# Altium PCB TEBF0808ASCII.PcbDoc (part 1 of 10) (continued)
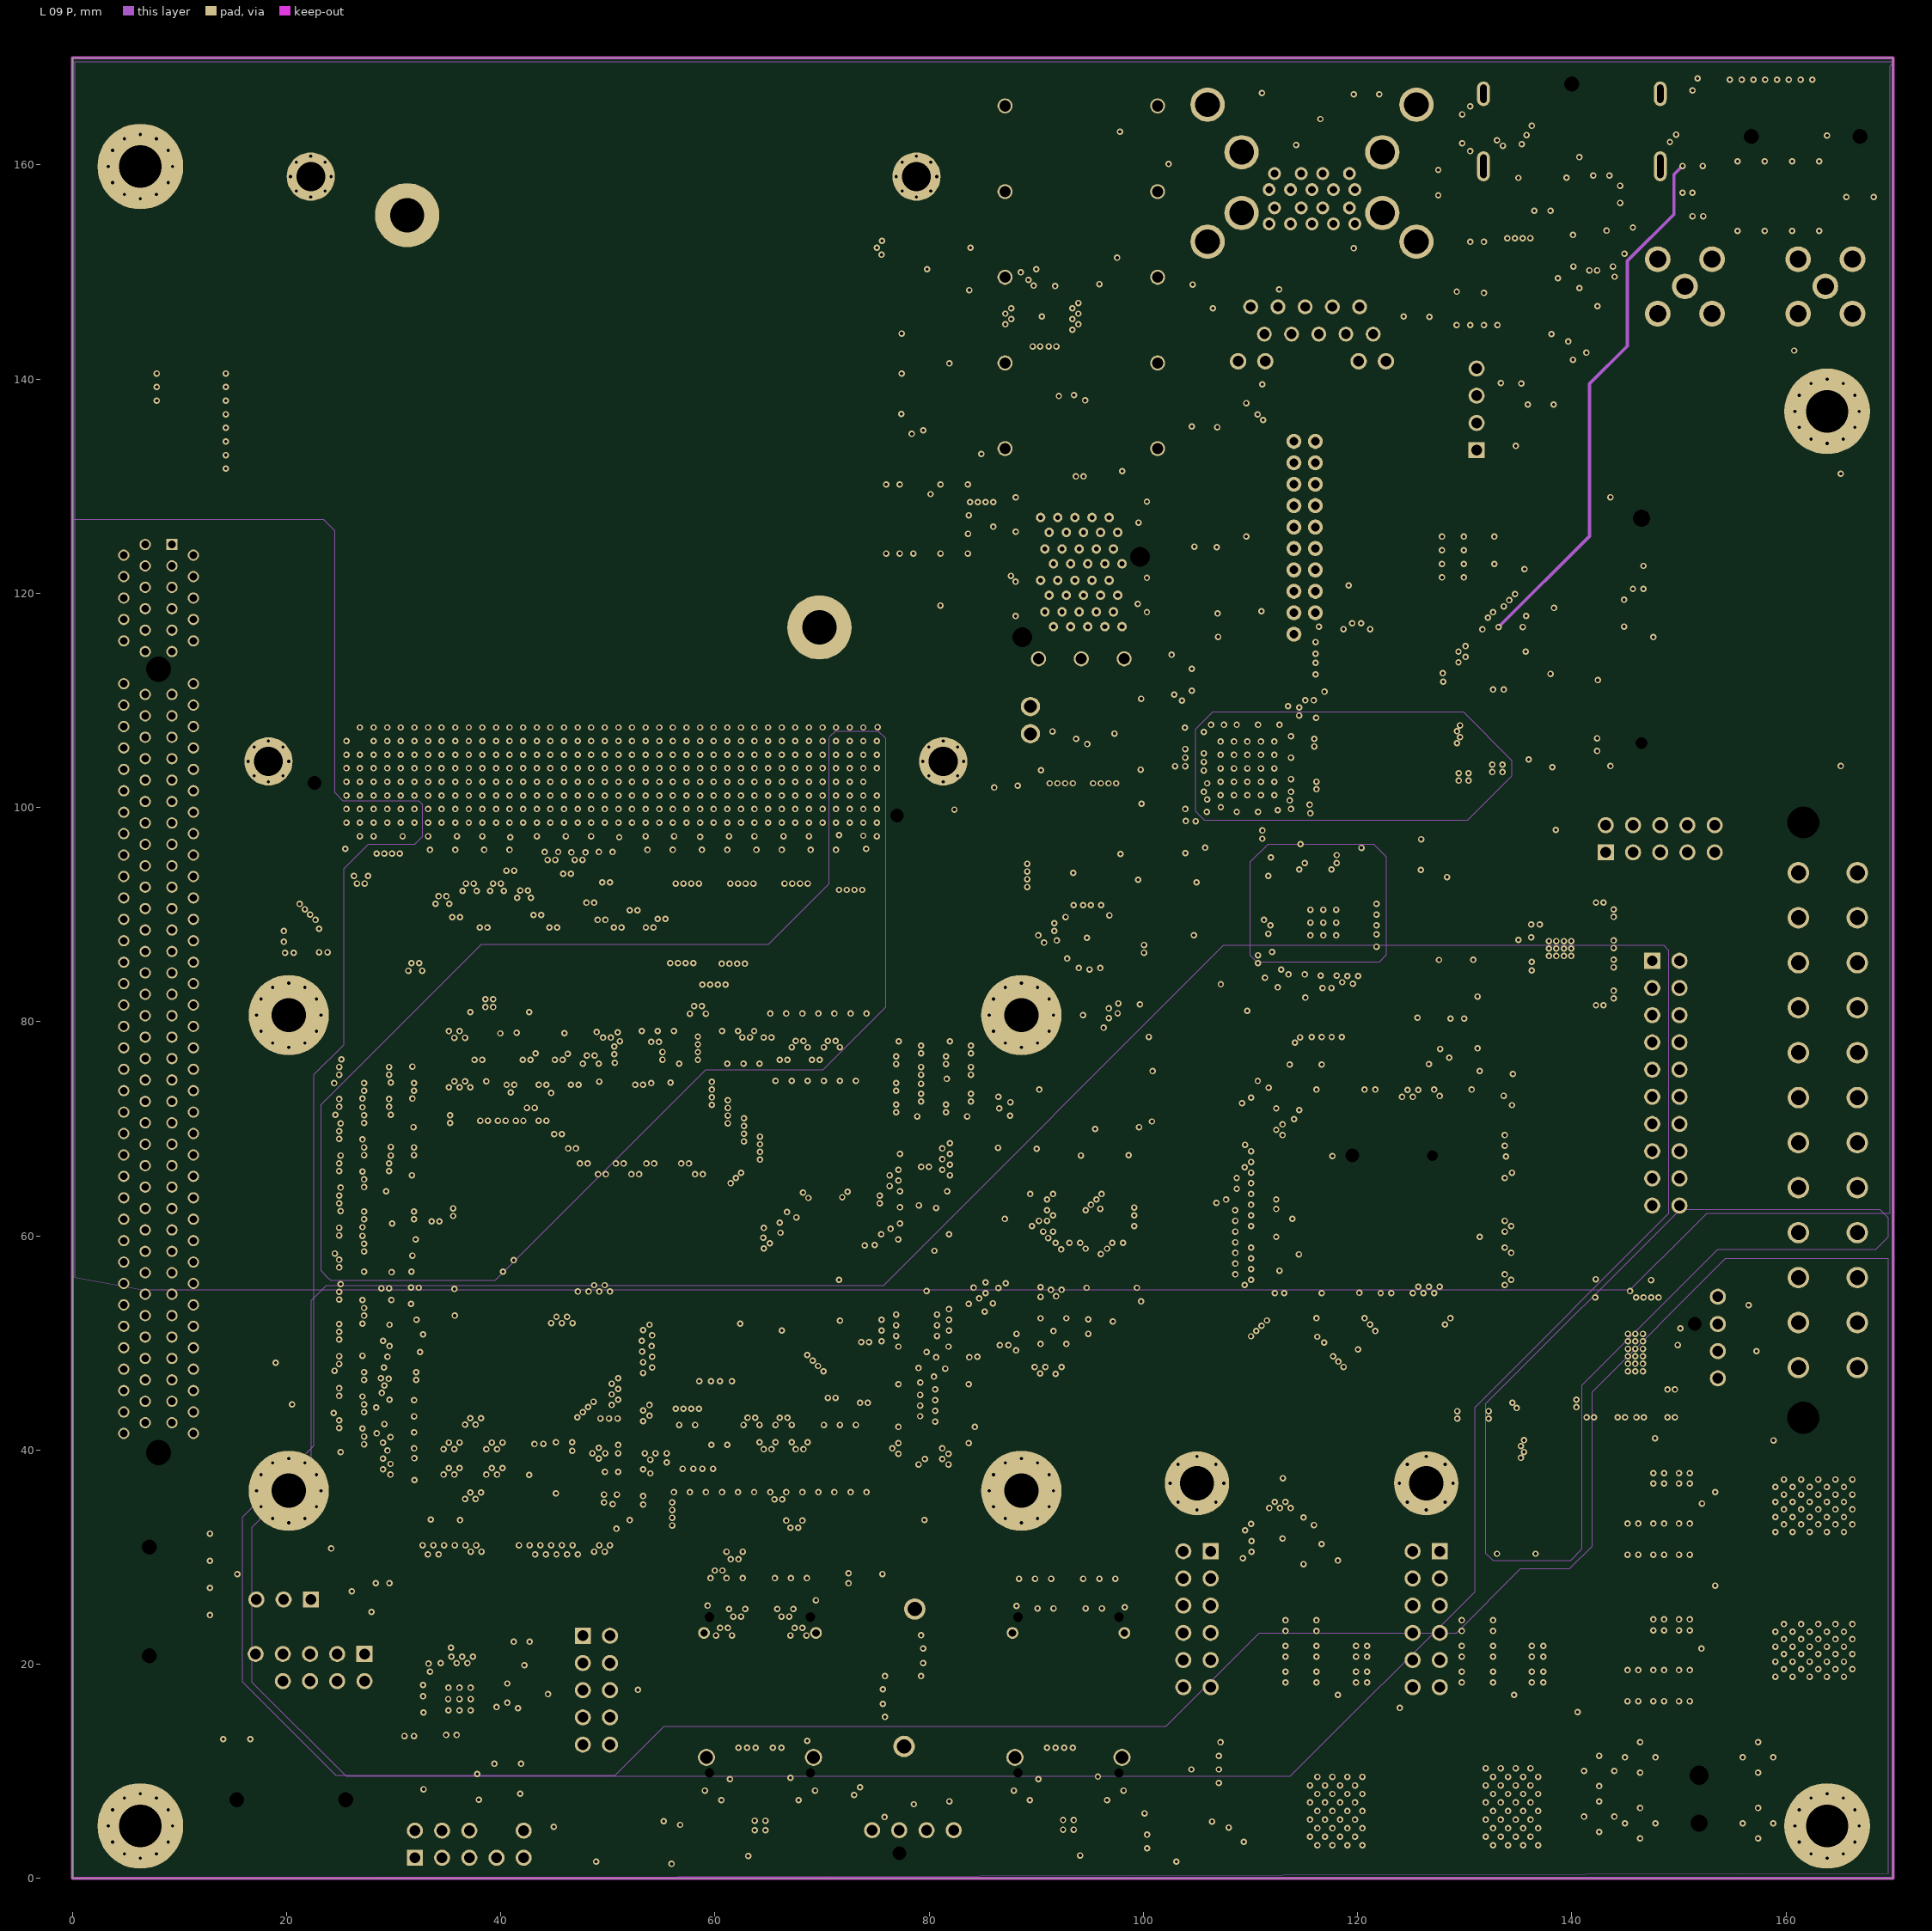
[diagram p8: L 09 P]
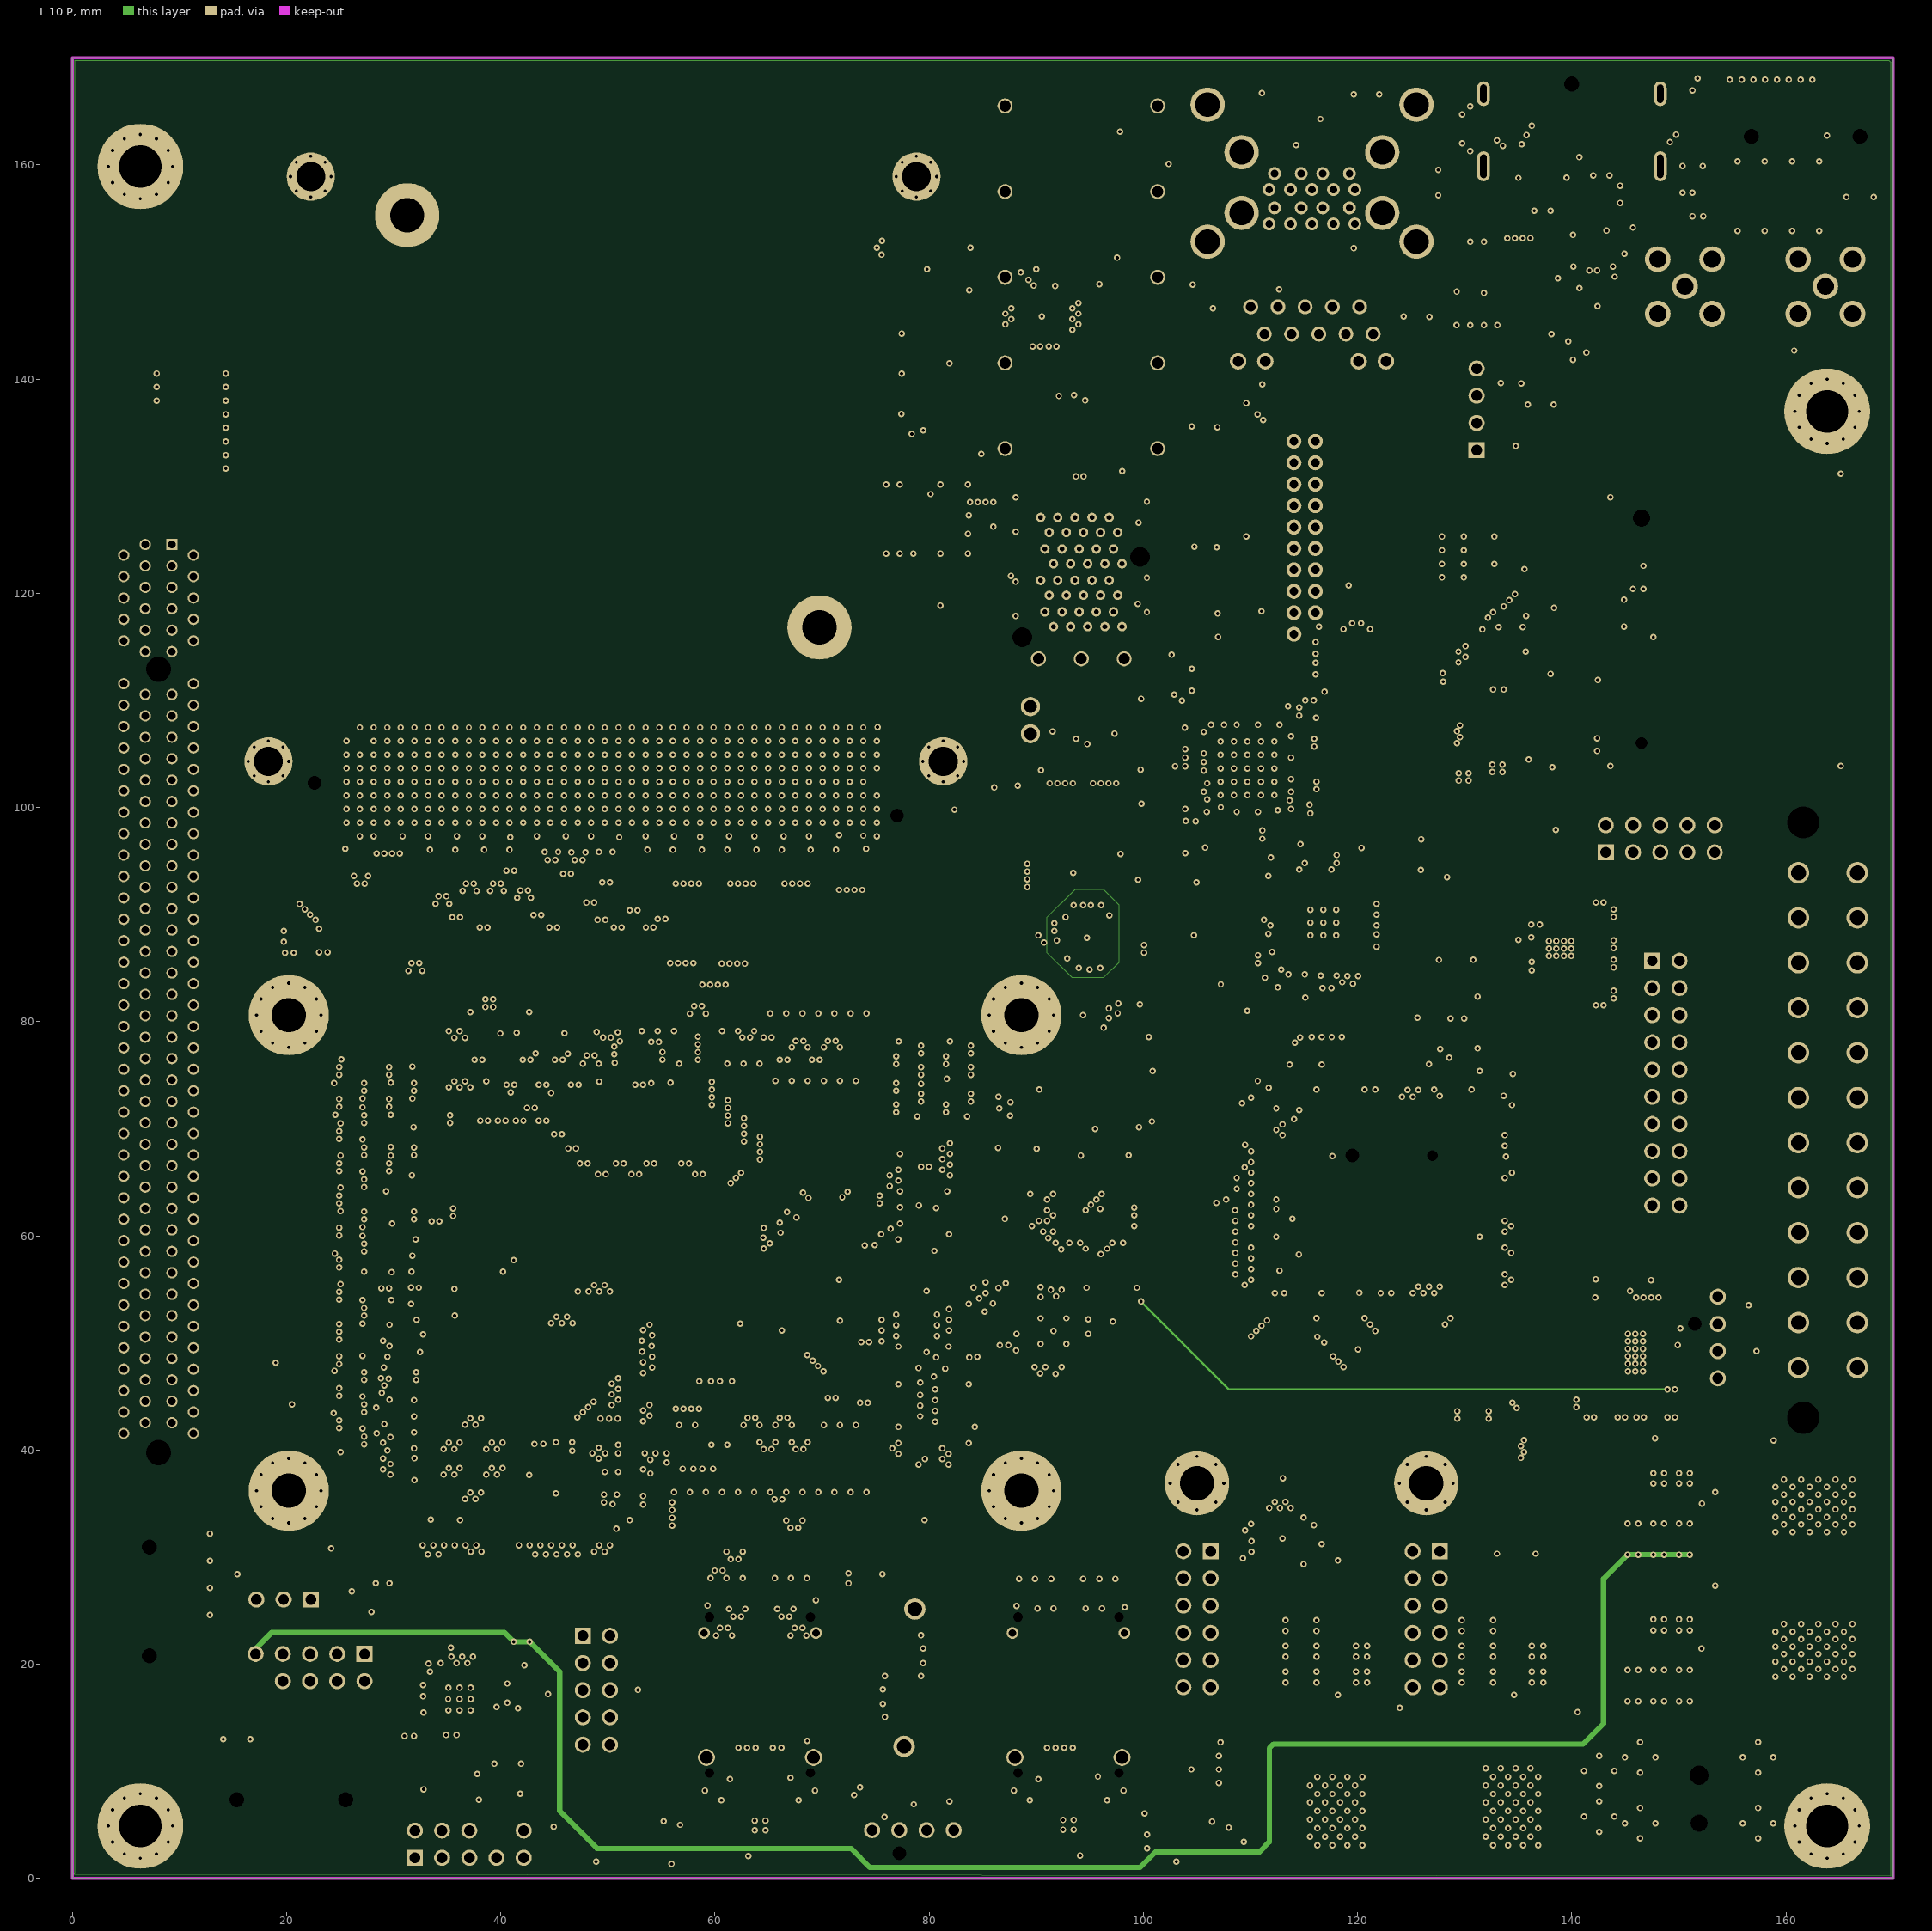
[diagram p9: L 10 P]
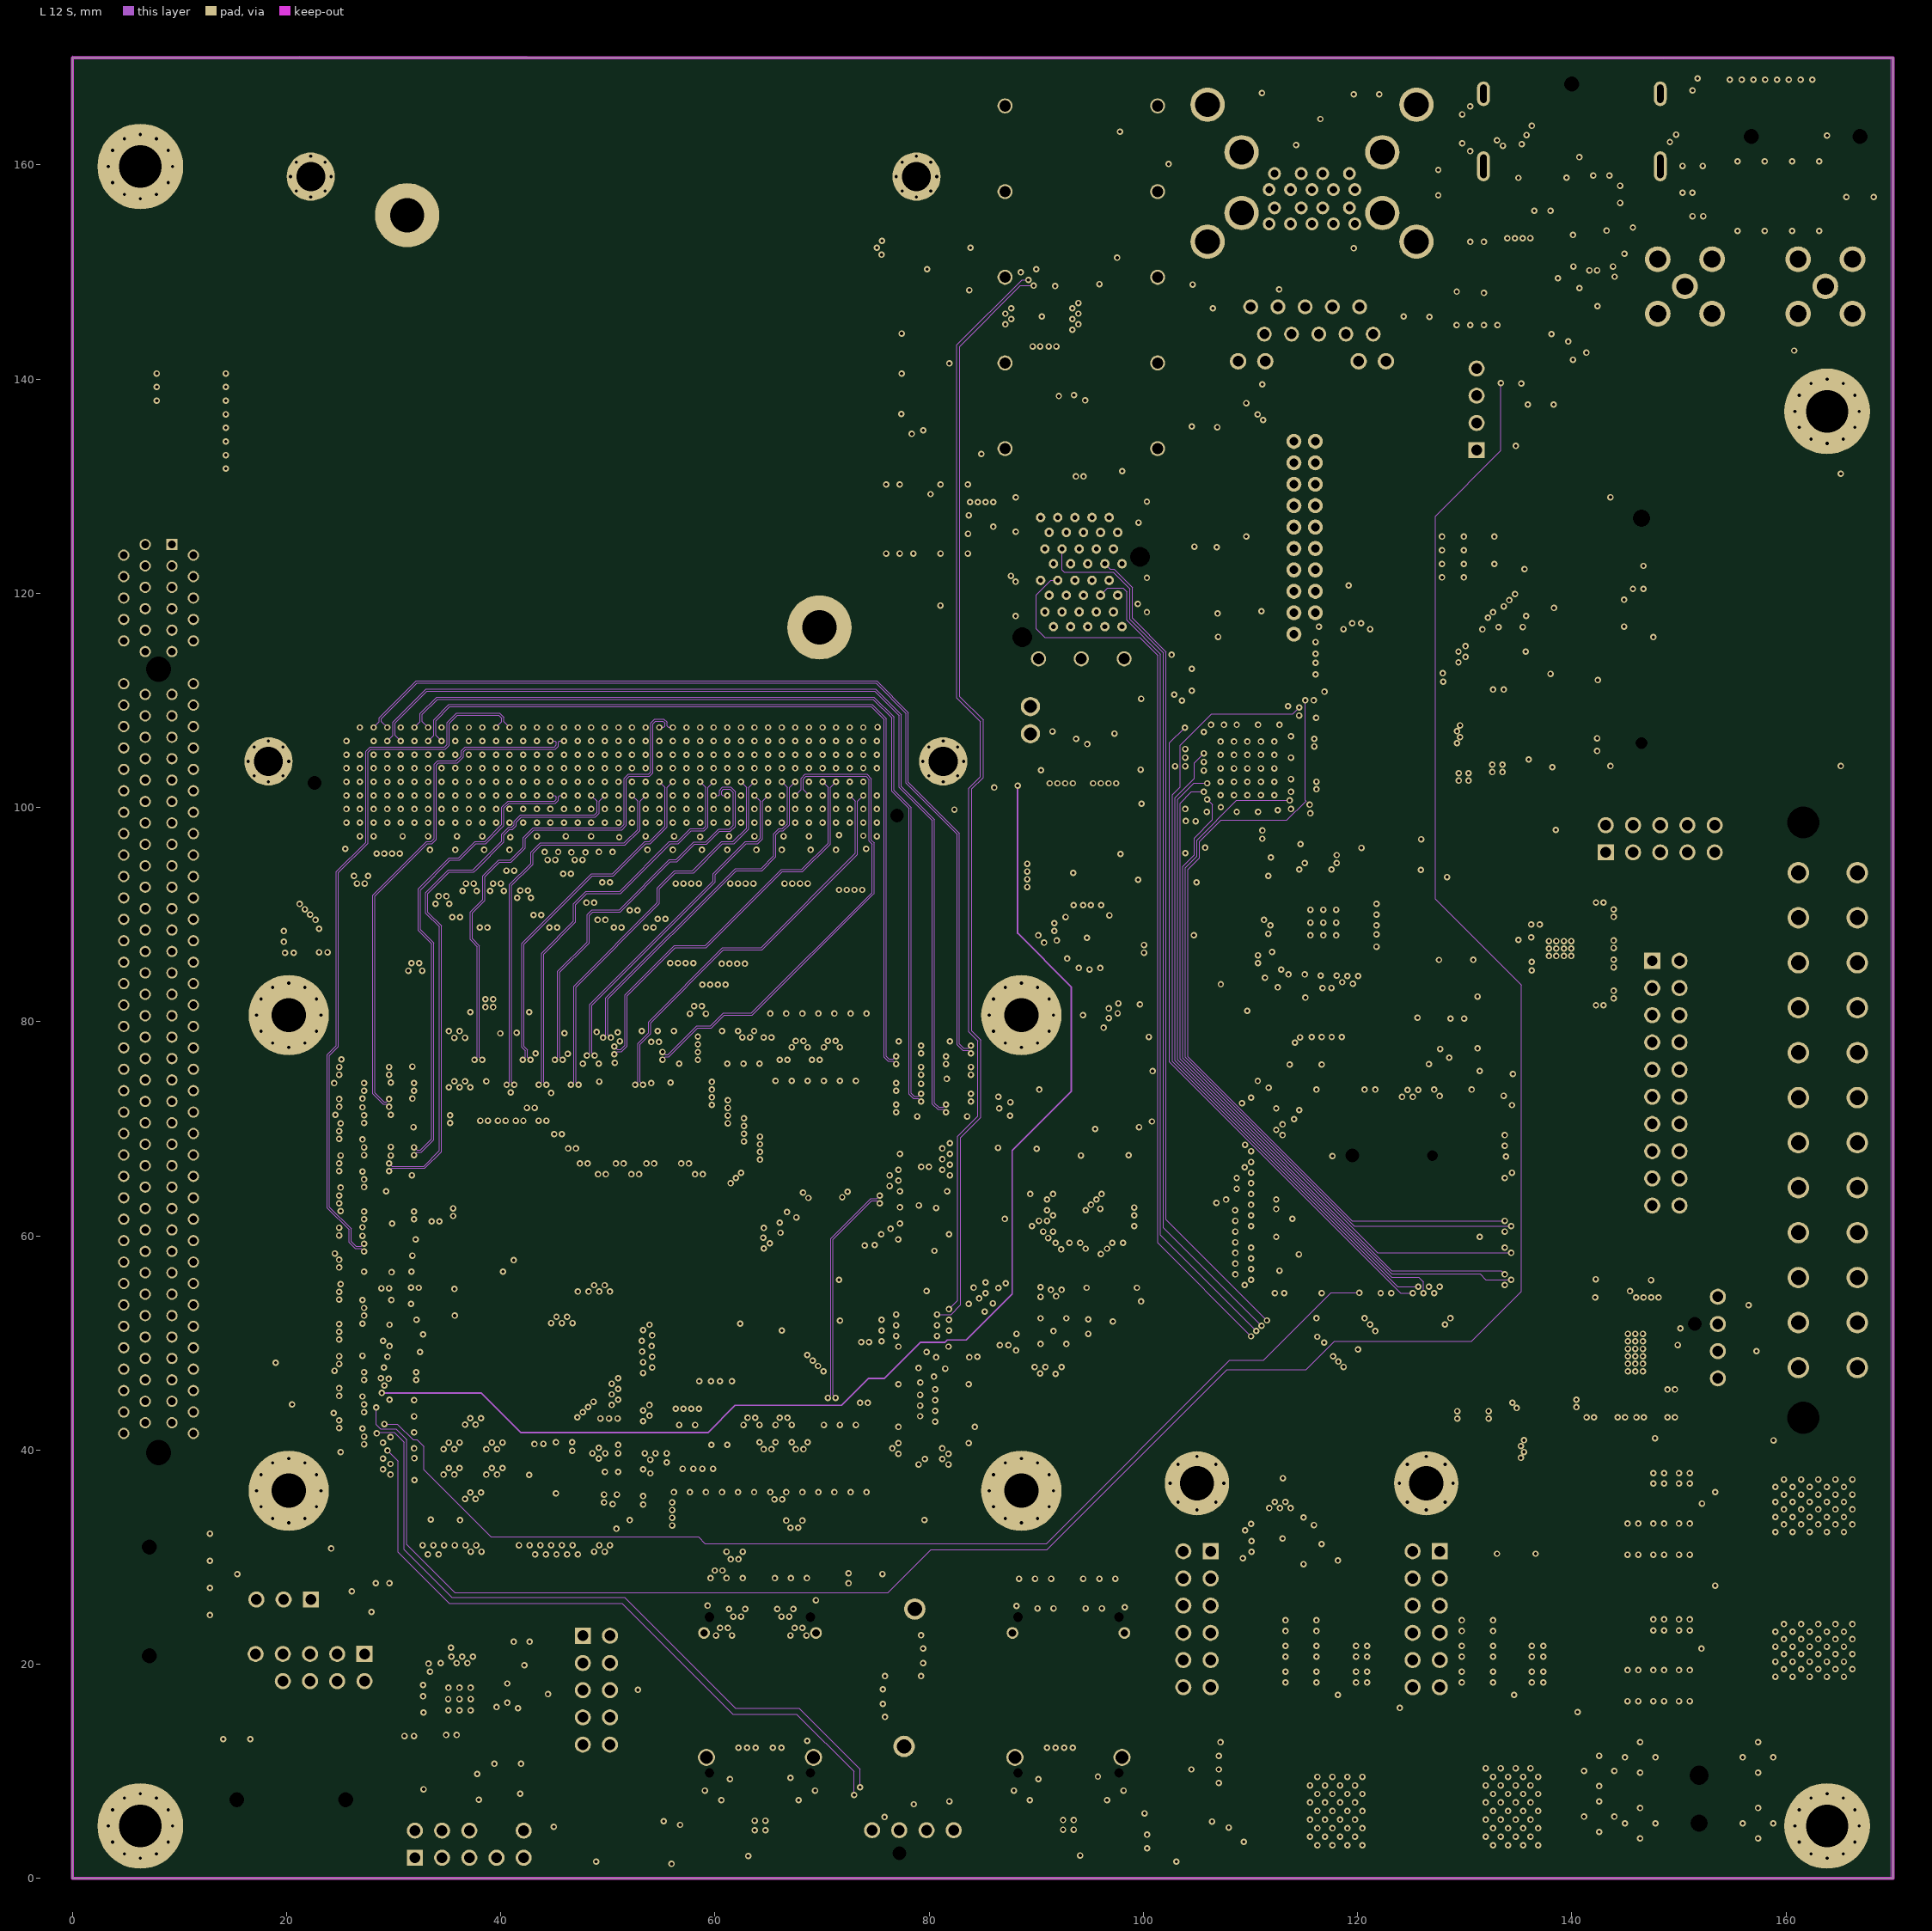
[diagram p10: L 12 S]